# Altium PCB PCB1_backup.PcbDoc (continued)
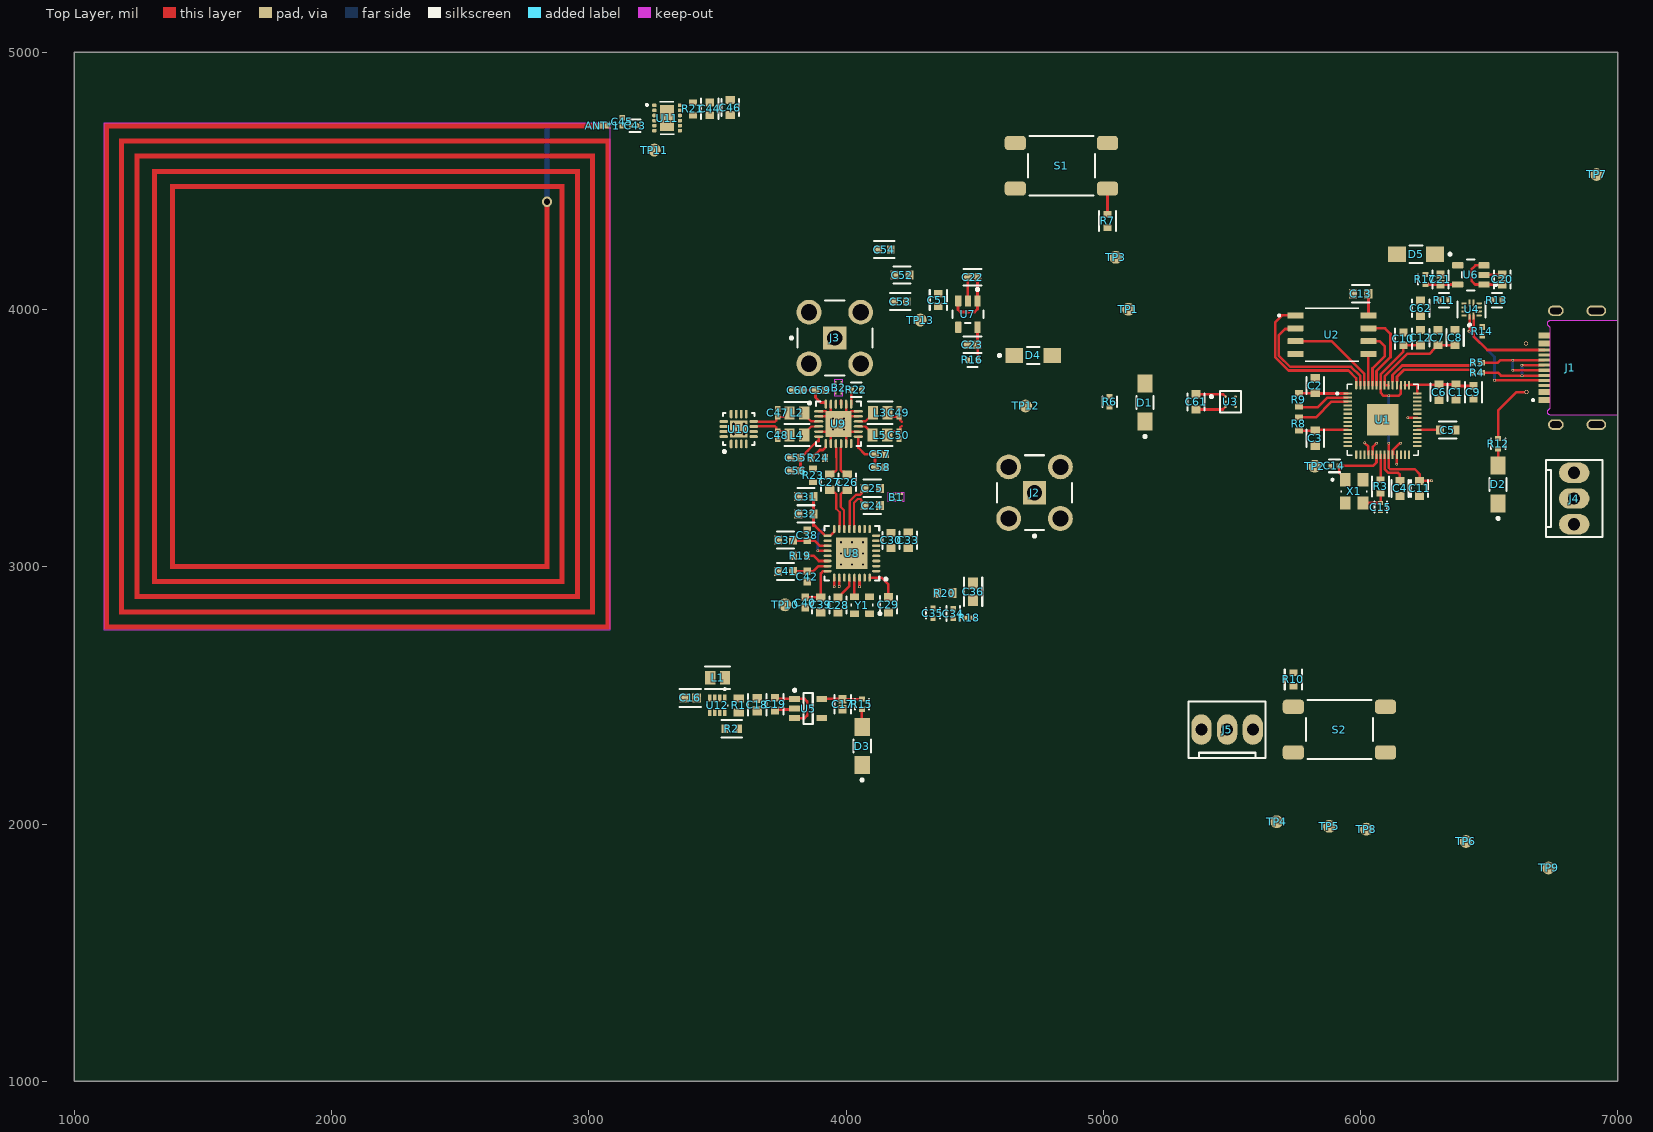
[diagram p0: Top Layer view]
## Footprints (in the part's own frame and the unit in brackets; to place one, negate y for a bottom-side part, rotate by r counter-clockwise, add the part's x,y. Pads: shape width x height; smd on the part's side, far side on the other; paste and mask are expansions set on the pad) (continued)
  rect 0.76x0.72 smd: 1(-0.49,0) 2(0.49,0)
  body extent -0.53,-0.28 0.53,0.28, height 0.55
CAPC1005X55X25ML05T10 [mm] "Chip Capacitor, 2-Leads, Body 1.00x0.50mm, IPC Low Density"
  rect 0.76x0.72 smd: 1(-0.49,0) 2(0.49,0)
  body extent -0.53,-0.28 0.53,0.27, height 0.55
"DIODES SOT25" [mm] "SOT25, 5-Leads, Body 3.00x2.85mm, Pitch 0.95mm, IPC Medium Density"
  rect 1.05x0.6 smd: 1(-1.35,0.95) 2(-1.35,0) 3(-1.35,-0.95) 4(1.35,-0.95) 5(1.35,0.95)
  silkscreen extent -1.47,-1.55 0.45,1.92, body extent -1.5,-1.55 1.5,1.55, height 1.45
DLF0004A_MFG [mm] "Recommended Land Pattern"
  rrect15% 0.9x0.65 smd: 1(-0.75,0.825) 2(-0.75,-0.825) 3(0.75,-0.825) 4(0.75,0.825)
  silkscreen extent -1.88,-0.13 1.05,0.95, body extent -1.3,-1.4 1.3,1.4, height 0.25
FP-CC0402-MFG [mm]
  rect 0.5x0.5 smd paste+0 mask+0: 1(-0.5,0) 2(0.5,0)
  silkscreen extent -0.53,-0.68 0.53,0.67, body extent -0.87,-0.48 0.87,0.48, height 0.25
FP-CC0603-DA-MFG [mm]
  rect 0.8x0.9 smd paste+0 mask+0: 1(-0.75,0) 2(0.75,0)
  silkscreen extent -0.85,-0.85 0.85,0.85, body extent -1.35,-0.75 1.35,0.75, height 0.25
FP-CL10-IPC_C [mil]
  rect 29.85x31.97 smd paste+0 mask+0: 1(-24.68,0) 2(24.68,0)
  silkscreen extent -40,-33 40,33, body extent -44,-22 44,22, height 10
FP-CMD15-21-MFG [mm]
  rect 1.75x1.5 smd paste+0 mask+0: 1(-1.875,0) 2(1.875,0)
  silkscreen extent -3.47,-0.85 0.63,0.85, body extent -2.85,-0.95 2.85,0.95, height 0.25
FP-DBV0005A-MFG [mm]
  rrect17% 1.1x0.6 smd paste+0 mask+0: 1(-1.3,0.95) 2(-1.3,0) 3(-1.3,-0.95) 4(1.3,-0.95) 5(1.3,0.95)
  silkscreen extent -2.55,-1.53 0.87,1.52, body extent -1.95,-1.78 1.95,1.78, height 0.25
FP-GCM155-0_05-IPC_B [mil]
  rect 24.23x22.54 smd paste+0 mask+0: 1(-16.87,0) 2(16.87,0)
  silkscreen extent -29,-27 29,27, body extent -35,-17 35,17, height 10
FP-GCM188-0_1-IPC_A [mil]
  rect 45.62x39.85 smd paste+0 mask+0: 1(-32.55,0) 2(32.55,0)
  silkscreen extent -55,-36 55,36, body extent -75,-40 75,40, height 10
FP-GJM155-0_05-MFG [mm]
  rect 0.4x0.5 smd paste+0 mask+0: 1(-0.4,0) 2(0.4,0)
  silkscreen extent -0.53,-0.63 0.53,0.63, body extent -0.7,-0.38 0.7,0.38, height 0.25
FP-GRM155-0_2-IPC_A [mil]
  rect 32.6x31.74 smd paste+0 mask+0: 1(-19.25,0) 2(19.25,0)
  silkscreen extent -36,-32 36,32, body extent -43,-24 43,24, height 10
FP-GRM188-0_2-IPC_C [mil]
  rect 35.63x35.68 smd paste+0 mask+0: 1(-23.64,0) 2(23.64,0)
  silkscreen extent -41,-35 41,35, body extent -45,-24 45,24, height 10
FP-LQM21PH_G0-IPC_C [mil]
  rect 39.61x51.5 smd paste+0 mask+0: 1(-28.59,0) 2(28.59,0)
  silkscreen extent -48,-43 48,43, body extent -52,-31 52,31, height 10
FP-RC0603-0_55-IPC_C [mil]
  rect 25.93x31.97 smd paste+0 mask+0: 1(-26.64,0) 2(26.64,0)
  silkscreen extent -40,-33 40,33, body extent -44,-22 44,22, height 10
FP-RF2-04A-T-00-50-G-MFG [mm]
  rect 2.3x2.3 hole 1.5 paste-2539.97 mask+0: 1(0,0)
  round 2.45 hole 1.6 paste-2539.97 mask+0: 2(-2.55,2.55) 3(2.55,2.55) 4(-2.55,-2.55) 5(2.55,-2.55)
  silkscreen extent -4.42,-3.7 3.7,3.7, body extent -3.88,-3.88 3.88,3.88, height 0.25
FP-RT0402-MFG [mm]
  rect 0.5x0.6 smd paste+0 mask+0: 1(-0.5,0) 2(0.5,0)
  silkscreen extent -0.5,-0.71 0.5,0.7, body extent -0.85,-0.4 0.85,0.4, height 0.25
FP-RWB0012A-MFG [mm]
  rrect50% 0.7x0.2 smd paste-1000 mask+0: 1(-0.65,0.2) 2(-0.65,-0.2) 7(0.65,-0.2) 8(0.65,0.2)
  rrect50% 0.2x0.5 smd paste+0 mask+0: 3(-0.6,-0.75) 4(-0.2,-0.75) 5(0.2,-0.75) 6(0.6,-0.75) 9(0.6,0.75) 10(0.2,0.75) 11(-0.2,0.75) 12(-0.6,0.75)
  silkscreen extent -1.67,-1.38 0.8,1.38, body extent -1.1,-1.1 1.1,1.1, height 0.25
FP-YPA0006-MFG [mm]
  round 0.263 smd paste-1000 mask-1000: A1(-0.5,0.5) A2(0.5,0.5) B1(-0.5,0) B2(0.5,0) C1(-0.5,-0.5) C2(0.5,-0.5)
  silkscreen extent -2,-1.04 1.04,1.04, body extent -1.24,-1.24 1.24,1.24, height 0.25
"MOLEX KK 0022272031" [mm]
  oval 2x3 hole 1.2: 1(-2.54,0) 2(0,0) 3(2.54,0)
  silkscreen extent -3.81,-2.79 3.81,2.79, body extent -3.81,-2.9 3.81,2.9, height 11.7
nfc_antenna [mm]
  rect 1.524x0.5 smd: 1(-25,-24.75)
  rect 1.524x0.5 smd far side: 2(-25,-24.75)
  Top Layer region: -25.75,-25 24.25,-25 24.25,-24.5 -25.75,-24.5
  Top Layer region: 23.75,-25 24.25,-25 24.25,25 23.75,25
  Top Layer region: -25.75,24.5 24.25,24.5 24.25,25 -25.75,25
  Top Layer region: -25.75,-23.5 -25.25,-23.5 -25.25,25 -25.75,25
  Top Layer region: -25.75,-23.5 22.75,-23.5 22.75,-23 -25.75,-23
  Top Layer region: 22.25,-23.5 22.75,-23.5 22.75,23.5 22.25,23.5
  Top Layer region: -24.25,23 22.75,23 22.75,23.5 -24.25,23.5
  Top Layer region: -24.25,-22 -23.75,-22 -23.75,23.5 -24.25,23.5
  Top Layer region: -24.25,-22 21.25,-22 21.25,-21.5 -24.25,-21.5
  Top Layer region: 20.75,-22 21.25,-22 21.25,22 20.75,22
  Top Layer region: -22.75,21.5 21.25,21.5 21.25,22 -22.75,22
  Top Layer region: -22.75,-20.5 -22.25,-20.5 -22.25,22 -22.75,22
  Top Layer region: -22.75,-20.5 19.25,-20.5 19.25,-20 -22.75,-20
  Top Layer region: 19,-20.5 19.5,-20.5 19.5,20.5 19,20.5
  Top Layer region: -21.25,20 19.25,20 19.25,20.5 -21.25,20.5
  Top Layer region: -21.25,-19 -20.75,-19 -20.75,20.5 -21.25,20.5
  Top Layer region: -21.25,-19 17.75,-19 17.75,-18.5 -21.25,-18.5
  Top Layer region: 17.25,-19 17.75,-19 17.75,19 17.25,19
  Top Layer region: -19.75,18.5 17.75,18.5 17.75,19 -19.75,19
  Top Layer region: -19.75,-17.5 -19.25,-17.5 -19.25,19 -19.75,19
  Bottom Layer region: -25.75,-25 -19.25,-25 -19.25,-24.5 -25.75,-24.5
  Bottom Layer region: -19.75,-25 -19.25,-25 -19.25,-17 -19.75,-17
  Keep-Out Layer region: -25.75,-25 24.25,-25 24.25,25 -25.75,25
PSON50P300X300X60-13N [mm]
  rrect50% 0.42x0.35 smd: 1(-1.26,1.25) 2(-1.26,0.75) 3(-1.26,0.25) 4(-1.26,-0.25) 5(-1.26,-0.75) 6(-1.26,-1.25) 7(1.26,-1.25) 8(1.26,-0.75) 9(1.26,-0.25) 10(1.26,0.25) 11(1.26,0.75) 12(1.26,1.25)
  rect 1.4x2.55 smd paste-2: 13(0,0)
  silkscreen extent -2.1,-1.6 0.7,1.6, body extent -1.51,-1.51 1.51,1.51, height 0.6
QFN40P700X700X90-57N [mm]
  rrect25% 0.84x0.2 smd: 1(-3.435,2.6) 2(-3.435,2.2) 3(-3.435,1.8) 4(-3.435,1.4) 5(-3.435,1) 6(-3.435,0.6) 7(-3.435,0.2) 8(-3.435,-0.2) 9(-3.435,-0.6) 10(-3.435,-1) 11(-3.435,-1.4) 12(-3.435,-1.8) 13(-3.435,-2.2) 14(-3.435,-2.6) 29(3.435,-2.6) 30(3.435,-2.2) 31(3.435,-1.8) 32(3.435,-1.4) 33(3.435,-1) 34(3.435,-0.6) 35(3.435,-0.2) 36(3.435,0.2) 37(3.435,0.6) 38(3.435,1) 39(3.435,1.4) 40(3.435,1.8) 41(3.435,2.2) 42(3.435,2.6)
  rrect25% 0.2x0.84 smd: 15(-2.6,-3.435) 16(-2.2,-3.435) 17(-1.8,-3.435) 18(-1.4,-3.435) 19(-1,-3.435) 20(-0.6,-3.435) 21(-0.2,-3.435) 22(0.2,-3.435) 23(0.6,-3.435) 24(1,-3.435) 25(1.4,-3.435) 26(1.8,-3.435) 27(2.2,-3.435) 28(2.6,-3.435) 43(2.6,3.435) 44(2.2,3.435) 45(1.8,3.435) 46(1.4,3.435) 47(1,3.435) 48(0.6,3.435) 49(0.2,3.435) 50(-0.2,3.435) 51(-0.6,3.435) 52(-1,3.435) 53(-1.4,3.435) 54(-1.8,3.435) 55(-2.2,3.435) 56(-2.6,3.435)
  rect 3.1x3.1 smd paste-0.57: 57(0,0)
  silkscreen extent -4.57,-3.5 3.5,3.5, body extent -3.5,-3.5 3.5,3.5, height 0.9
RESC1005X40X25LL05T10 [mm] "Chip Resistor, 2-Leads, Body 1.00x0.50mm, IPC High Density"
  rect 0.5x0.45 smd: 1(-0.375,0) 2(0.375,0)
  body extent -0.53,-0.27 0.53,0.28, height 0.4
RESC1005X40X25NL05T10 [mm] "Chip Resistor, 2-Leads, Body 1.00x0.50mm, IPC Medium Density"
  rect 0.6x0.55 smd: 1(-0.425,0) 2(0.425,0)
  body extent -0.53,-0.27 0.53,0.28, height 0.4
RESC1608X55X25LL10T15 [mm] "Chip Resistor, 2-Leads, Body 1.60x0.80mm, IPC High Density"
  rect 0.6x0.8 smd: 1(-0.65,0) 2(0.65,0)
  body extent -0.85,-0.45 0.85,0.45, height 0.55
RESC1608X55X25ML10T15 [mm] "Chip Resistor, 2-Leads, Body 1.60x0.80mm, IPC Low Density"
  rect 0.8x1 smd: 1(-0.75,0) 2(0.75,0)
  body extent -0.85,-0.45 0.85,0.45, height 0.55
RESC1608X55X30NL20T10 [mm] "Chip Resistor, 2-Leads, Body 1.60x0.80mm, IPC Medium Density"
  rect 0.8x1 smd: 1(-0.7,0) 2(0.7,0)
  body extent -0.9,-0.5 0.9,0.5, height 0.55
SOIC127P790X216-8N [mm]
  rrect25% 1.61x0.58 smd: 1(-3.605,1.905) 2(-3.605,0.635) 3(-3.605,-0.635) 4(-3.605,-1.905) 5(3.605,-1.905) 6(3.605,-0.635) 7(3.605,0.635) 8(3.605,1.905)
  silkscreen extent -5.31,-2.64 2.64,2.64, body extent -3.95,-2.64 3.95,2.64, height 2.16
SOT50P160X60-8N [mm]
  rect 0.66x0.32 smd mask+0.05: 1(-0.735,0.75) 2(-0.735,0.25) 3(-0.735,-0.25) 4(-0.735,-0.75) 5(0.735,-0.75) 6(0.735,-0.25) 7(0.735,0.25) 8(0.735,0.75)
  silkscreen extent -1.7,-1.05 0.09,1.05, body extent -0.8,-1.05 0.8,1.05, height 0.6
"TE FSM4JSMA" [mm]
  rrect50% 1.4x2.1 smd: 1(2.25,4.55) 2(2.25,-4.55) 3(-2.25,4.55) 4(-2.25,-4.55)
  silkscreen extent -2.92,-3.3 2.92,3.3, body extent -3,-5 3,5, height 5.08
test_point [mil]
  round 50 smd: 1(0,0)
TI-RTE16-1700X1700TP_V [mm] "QFN, 16-Leads, Body 3x3mm, Pitch 0.5mm, Thermal Pad 1.7x1.7mm"
  oval 0.85x0.28 smd: 1(-1.475,0.75) 2(-1.475,0.25) 3(-1.475,-0.25) 4(-1.475,-0.75) 9(1.475,-0.75) 10(1.475,-0.25) 11(1.475,0.25) 12(1.475,0.75)
  oval 0.28x0.85 smd: 5(-0.75,-1.475) 6(-0.25,-1.475) 7(0.25,-1.475) 8(0.75,-1.475) 13(0.75,1.475) 14(0.25,1.475) 15(-0.25,1.475) 16(-0.75,1.475)
  rect 1.7x1.7 smd: 17(0,0)
  silkscreen extent -2.35,-1.57 1.57,1.58, body extent -1.5,-1.5 1.5,1.5, height 0.8
XTAL_ABM8-272-T3 [mm]
  rect 1.05x1.3 smd: 1(-0.875,1.15) 2(-0.875,-1.15) 3(0.875,-1.15) 4(0.875,1.15)
  silkscreen extent -2.24,-0.09 1.25,1.25, body extent -1.25,-1.6 1.25,1.6, height 0.7

## Part data
C1 C2 C3 C4 C5 C6 C7 C8 C11 C12 C13 C24 C25 C26 C27 C28 C29 C30 C31 C32 C33 C37 C39 C41 C46 C52 C61 C62: library part CMP-2000-05002-2, "CAP CER 0.1UF 16V X7R 0603", Capacitance="100 nF", Manufacturer=YAGEO, Package=CC0603-DA, Temperature="-55°C to +125°C", Temperature Characteristic=X7R, Temperature Coefficient=15%, Temperature Range High=+125°C, Temperature Range Low=-55°C, Tolerance=0.1, Voltage="16 V", Automotive=No, Category=Cap, ComponentLink2Description=Datasheet, ComponentLink2URL=http://www.yageo.com/documents/recent/UPY-GPHC_X7R_6.3V-to-50V_18.pdf, Device Class L1="Passive Components", Device Class L2=Capacitors, Device Class L3="Ceramic Capacitors", Digikey Description="CAP CER 0.1UF 16V X7R 0603", Footprint Url=http://www.yageo.com/exep/pages/download/literatures/UPY-C_GEN_24.pdf, Height=0.9mm, Lead Free=Yes, Manufacturer Part Number=CC0603KRX7R7BB104, Material=Ceramic, Mouser Description="Multilayer Ceramic Capacitor, CC Series, 0.1 - F, - 10%, X7R, 16 V, 0603 [1608 Metric]", Octopart=https://octopart.com/cc0603krx7r7bb104-yageo-192941, RoHS=TRUE, Voltage Rating="16 V"
C9 C10 C19 C44 C51 C53 C54: library part CMP-2000-06094-2, "Cap Ceramic 1uF 10V X7R ±10% Pad SMD 0603 +125°C T/R", Capacitance=1uF, Case Code (Imperial)=0603, Case Code (Metric)=1608, Dielectric=X7R, Max Operating Temperature=125°C, Min Operating Temperature=-55°C, Package Quantity=1, Tolerance=10%, Voltage Rating=10V, Case/Package=0603, Contact Plating=Tin, Depth=0.8mm, Height=0.8mm, Lead Free="Lead Free", Length=1.6mm, Mount="Surface Mount", Packaging="Tape and Reel", Radiation Hardening=No, Thickness=0.035inch, Voltage Rating (DC)=10V, Width=0.031inch
C14 C15 C43: library part CMP-2008-03803-2, "Multi-Layer Ceramic Capacitor 15pF C0G  ±2% 0402 Paper T/R", Capacitance=15pF, Case Code (Imperial)=0402, Case Code (Metric)=1005, Dielectric=C0G, Max Operating Temperature=125°C, Min Operating Temperature=-55°C, Package Quantity=10000, Tolerance=2%, Voltage Rating=50V, Case/Package=0402, Depth=0.5mm, Height=0.5mm, Lead Free="Lead Free", Length=1mm, Mount="Surface Mount", Packaging="Tape and Reel", Radiation Hardening=No, Termination=SMD/SMT, Thickness=0.022inch, Voltage Rating (DC)=50V, Width=0.02inch
C16 C18: library part CMP-2000-06337-3, "Chip Multilayer Ceramic Capacitors for General Purpose, 0603, 22uF, X5R, 15%, 20%, 10V", Capacitance=22uF, Case Code (Imperial)=0603, Case Code (Metric)=1608, Dielectric=X5R, Max Operating Temperature=85°C, Min Operating Temperature=-55°C, Package Quantity=4000, Tolerance=20%, Voltage Rating=10V, Case/Package=0603, Depth=0.8mm, Height=0.8mm, Lead Free="Lead Free", Length=1.6mm, Material=Ceramic, Mount="Surface Mount", Packaging="Tape and Reel", REACH SVHC="No SVHC", Termination=SMD/SMT, Thickness=0.039inch, Voltage Rating (DC)=10V, Weight=0.000222oz, Width=0.8mm
C17 C20 C21 C22 C23: library part CMP-06035-026070-1, "Chip Multilayer Ceramic Capacitors for General Purpose, 0402, 10uF, X5R, 15%, 20%, 10V"
C34: library part CMP-06035-054841-1, "Ceramic Capacitor for Automotive 39nF ±10% 16VDC X7R 0402 Paper T/R", Capacitance=39nF, Case Code (Imperial)=0402, Case Code (Metric)=1005, Max Operating Temperature=125°C, Min Operating Temperature=-55°C, Ratings=AEC-Q200, Tolerance=10%, Voltage Rating=16V, Case/Package=0402, Mount="Surface Mount", Packaging="Cut Tape"
C35: library part CMP-03422-000661-1, "CC0402 2.7 nF X7R 10.00% 50 V", Capacitance="2.7 nF", Manufacturer=YAGEO, Package=CC0402, Temperature="-55°C to +125°C", Temperature Characteristic=X7R, Temperature Coefficient=30ppm/°C, Temperature Range High=+125°C, Temperature Range Low=-55°C, Tolerance=0.1, Voltage Rating="50 V", Automotive=No, Automotive Grade=NA, Category=Cap, ComponentLink2Description=Datasheet, ComponentLink2URL=http://www.yageo.com/documents/recent/UPY-GP_NP0_16V-to-50V_16.pdf, Device Class L1="Passive Components", Device Class L2=Capacitors, Device Class L3="Ceramic Capacitors", Footprint Url=http://www.yageo.com/exep/pages/download/literatures/UPY-C_GEN_24.pdf, Height=0.55mm, Ipc Land Pattern Name=CAPC10050X50, Lead Free=Yes, Manufacturer Part Number=CC0402KPX7R9BB272, Material=Ceramic, Octopart=https://octopart.com/cc0402kpx7r9bb272-yageo-84795372, RoHS=TRUE
C36: library part CMP-06035-017544-1, "Ceramic Capacitor for Automotive 1.2nF  ±5% 50VDC C0G 0603 Paper T/R", Capacitance=1.2nF, Case Code (Imperial)=0603, Case Code (Metric)=1608, Dielectric=C0G, Max Operating Temperature=125°C, Min Operating Temperature=-55°C, Package Quantity=10000, Ratings=AEC-Q200, Tolerance=5%, Voltage Rating=50V, Case/Package=0603, Height=0.8mm, Length=0.063inch, Mount="Surface Mount", Packaging="Tape and Reel", Termination=SMD/SMT, Thickness=0.035inch, Voltage Rating (DC)=50V, Weight=0.000222oz, Width=0.031inch
C38 C40 C42: library part CMP-2100-03589-1, "Chip Capacitor, 10 pF, +/- 5%, 50 V, -55 to 125 degC, 0402 (1005 Metric), RoHS, Tape and Reel", Capacitance=10pF, Case Code (Imperial)=0402, Case Code (Metric)=1005, Dielectric=C0G, Dielectric Material=Ceramic, Insulation Resistance=100GR, Manufacturer=Yageo, Max Operating Temperature=125degC, Min Operating Temperature=-55degC, Package Description="2-Pin Surface Mount Device, Body 1 x 0.5 mm", Package Quantity=1, Temperature Coefficient=30ppm/degC, Tolerance=5%, Voltage=50V, Case/Package=0402, Composition=Ceramic, Datasheet URL=http://www.yageo.com/documents/recent/UPY-GP_NP0_16V-to-50V_14.pdf, Datasheet Version="Rev. 14, 07/2016", Depth=0.5mm, Height=0.5mm, Lead Free=LeadFree, Length=1mm, Manufacturer URL=http://www.yageo.com/, Mount=SurfaceMount, Number of Pins=2, Package Reference=0402, Packaging=TapeandReel, Radiation Hardening=No, REACH SVHC=NoSVHC, RoHSCompliant=True, Termination=SMD/SMT, Thickness=0.022inch, Voltage Rating=50V, Voltage Rating (DC)=50V, Width=0.02inch
C45: library part CMP-2008-04303-1, Manufacturer=Murata, Part Number=GRM1555C1H220JA01J
C47 C48 C49 C50: library part CMP-2008-03917-1, Manufacturer=Murata, Part Number=GRM1555C1H270JA01D
C55 C57 C59: library part CMP-1662-00017-1, "Chip Capacitor, 1 nF, +/- 10%, 50 V, -55 to 125 degC, 0402 (1005 Metric), RoHS, Tape and Reel", Capacitance="1 nF", Case Code (Imperial)=0402, Case Code (Metric)=1005, Max Operating Temperature="125 degC", Min Operating Temperature="-55 degC", Package Quantity=10000, Tolerance=10%, Type (Capacitors)=X7R, Voltage Rating="50 V", Case\/Package=0402, ComponentLink1Description="Manufacturer URL", ComponentLink1URL=http://www.murata.com/, ComponentLink2Description=Datasheet, ComponentLink2URL=http://psearch.en.murata.com/capacitor/product/GRM155R71H102KA01%23.pdf, DatasheetVersion=07/2016, Height="0.5 mm", Length="1 mm", Mount="Surface Mount", Mounting Technology="Surface Mount", PackageDescription="2-Pin Surface Mount Device, Body 1 x 0.5 mm", PackageReference=0402, Packaging="Tape and Reel", Pins=2, Radiation Hardening=No, REACH SVHC="No SVHC", RoHSCompliant=true, Voltage Rating (DC)="50 V", Width="0.5 mm"
C56 C58 C60: library part CMP-2008-03915-1, Manufacturer=Murata, Part Number=GRM1555C1H101JA01D
D1 D2 D3 D4 D5: library part CMP-53976-000002-1, "LED RED DIFFUSED 1206 SMD", Colour=Red, Forward Current=20mA, Forward Voltage=2V, Manufacturer=VCC, Package=CMD15-21, Power Dissipation=105mW, Reverse Voltage=5V, Temperature="-40°C to +85°C", Temperature Range High=+85°C, Temperature Range Low=-40°C, Automotive=No, Category=Diode, ComponentLink2Description=Datasheet, ComponentLink2URL=https://www.vcclite.com/wp-content/uploads/wpallimport/files/files/CMD1521SeriesRev1.pdf, Device Class L1=Optoelectronics, Device Class L2=LEDs, Device Class L3=unset, Digikey Description="LED RED DIFFUSED 1206 SMD", Height=1.3mm, Lead Free=Yes, Led Orientation="Top View", Luminous Intensity=4mcd, Manufacturer Part Number=CMD15-21VRD/TR8, Mouser Description="Standard LEDs - SMD RED DIFFUSED", Octopart=https://octopart.com/cmd15-21vrd%2Ftr8-vcc-26668835, Peak Emmision Wavelength=640nm, RoHS=TRUE
J2 J3: library part CMP-42753-000002-1, "CONN SMA JACK STR 50 OHM PCB"
J4 J5: "CONN HEADER VERT 3POS 2.54MM", Insulation Color=Natural, Manufacturer=Molex, Material Flammability Rating="UL94 V-0", Supplier Part Number 1=WM4112-ND, ComponentLink1Description=Datasheet, ComponentLink1URL=https://www.molex.com/pdm_docs/sd/022272031_sd.pdf, ComponentLink2Description="DigiKey Link", ComponentLink2URL=http://digikey.com/product-detail/en/molex/0022272031/WM4112-ND/1130578, Connector Type=Header, Contact Finish - Mating=Tin, Contact Finish - Post=Tin, Contact Finish Thickness - Mating="100.0µin (2.54µm)", Contact Length - Mating="0.295\" (7.49mm)", Contact Length - Post="0.140\" (3.56mm)", Contact Material=Brass, Contact Shape=Square, Contact Type="Male Pin", Fastening Type="Friction Lock", Insulation Height="0.461\" (11.70mm)", Insulation Material="Polyamide (PA), Nylon", LastUpdated="1/12/2020 11:51:54 PM", Lifecycle Status=Active, Minimum Order=1, Mounting Type="Through Hole", Number of Positions=3, Number of Positions Loaded=All, Number of Rows=1, Overall Contact Length="0.560\" (14.22mm)", Packaging=Bulk, Part Number=0022272031, Part Status=Active, PartId=77, Pitch - Mating="0.100\" (2.54mm)", Price=0.37, Series="KK 6410", Shrouding="Shrouded - 1 Wall", Style="Board to Cable/Wire", Supplier 1=DigiKey, Termination=Solder
L1 L2 L3 L4 L5: library part CMP-06042-017027-1, "Multilayer Type Inductor for Power Lines, 0805 (2012), 1μH, 30%, 0.0825Ω, 1.3A", Case Code (Imperial)=0805, Case Code (Metric)=2012, Current Rating=1.3A, DC Resistance (DCR)=82.5mR, Inductance=1uH, Inductance Tolerance=30%, Max Operating Temperature=125°C, Min Operating Temperature=-55°C, Package Quantity=4000, Self Resonant Frequency=50MHz, Test Frequency=1MHz, Case/Package=0805, Core Material=Ferrite, DC Current=1.3A, Depth=1.4mm, Height=0.9mm, Height - Seated (Max)=0.039inch, Length=2mm, Max DC Current=1.3A, Military Standard=Not, Mount="Surface Mount", Packaging="Tape and Reel", REACH SVHC="No SVHC", RoHS Compliant=Yes, Series=LQM21PN_GR, Shielding=Shielded, Termination=SMD/SMT, Tolerance=30%, Weight=0.000194oz, Width=0.049inch
R1: library part CMP-2000-01731-1, Manufacturer="KOA Speer", Part Number=RK73H1JTTD91R0F, Valu=9.6k
R2 R3 R7 R10: library part CMP-1659-00009-5, "RES 1K OHM 1% 1/10W 0603", Case Code (Imperial)=0603, Case Code (Metric)=1608, Max Operating Temperature=155°C, Max Power Dissipation=100mW, Min Operating Temperature=-55°C, Resistance=1kR, Resistance Tolerance=1%, Resistor Type="Thick Film", Temperature Coefficient=100ppm/°C, Voltage Rating=50V, Case/Package=0603, Construction=Rectangular, Contact Plating=Tin, Depth=0.8mm, Features="Moisture Resistant", Height=0.45mm, Lead Free="Lead Free", Length=1.6mm, Military Standard=Not, Number of Terminations=2, Packaging="Tape and Reel", Power Rating=100mW, Radiation Hardening=No, REACH SVHC="No SVHC", RoHS Compliant=Yes, Series=RC, Size Code=0603, Technology="THICK FILM", Termination=SMD/SMT, Tolerance=1%
R4 R5: library part CMP-1011-00036-2, Manufacturer="Yageo / Phycomp", Part Number=RC0402JR-0727RL
R6 R12 R15 R16 R17 R22: library part CMP-03412-023045-1, "RES SMD 200 OHM 0.1% 1/16W 0402", Manufacturer=Yageo, Package=RT0402, Power Rating=0.063W, Resistance=200Ω, Temperature="-55°C to +155°C", Temperature Coefficient="25 ppm/°C", Temperature Range High=+155°C, Temperature Range Low=-55°C, Tolerance=0.001, Voltage Rating=50V, Automotive=No, Category=Res, ComponentLink2Description=Datasheet, ComponentLink2URL=http://www.yageo.com/documents/recent/PYu-RT_1-to-0.01_RoHS_L_9.pdf, Composition="Thin Film", Device Class L1="Passive Components", Device Class L2=Resistors, Device Class L3="Chip SMD Resistors", Digikey Description="RES SMD 200 OHM 0.1% 1/16W 0402", Footprint Url=http://www.yageo.com/exep/pages/download/literatures/PYu-R_Mount_10.pdf, Height=0.35mm, Ipc Land Pattern Name=RESC10050X30, Lead Free=Yes, Manufacturer Part Number=RT0402BRD07200RL, Mouser Description="Thin Film Resistors - SMD 1/16W 200 ohm .1% 25ppm", Octopart=https://octopart.com/rt0402brd07200rl-yageo-1238579, RoHS=TRUE, Series=RT
R8 R9 R19 R21 R23 R24: library part CMP-2000-06942-1, "Chip Resistor, 4.7 KOhm, +/- 1%, 0.1 W, -55 to 155 degC, 0603 (1608 Metric), RoHS, Tape and Reel", Case Code - in=0603, Case Code - mm=1608, Manufacturer=Yageo, Operating Temperature Range=-55Cto+155C, Package Description="2-Pin Surface Mount Device, Body 1.6 x 0.8 mm", Power Rating=100mW, Resistance=4.7kOhms, Temperature Coefficient=100PPM/C, Tolerance=1%, Voltage Rating=50V, Datasheet URL=http://www.yageo.com/documents/recent/PYu-RC_Group_51_RoHS_L_7.pdf, Datasheet Version="Rev. 7, 05/2017", Manufacturer URL=http://www.yageo.com/, Mounting Technology=SurfaceMount, Package Reference=0603, Packaging=Reel, Product=ThickFilmResistorsGeneralPurpose, Series=RC, Termination Style=SMD/SMT
R11 R13: library part CMP-03412-025742-1, "RES SMD 200K OHM 0.1% 1/16W 0402", Manufacturer=Yageo, Package=RT0402, Power Rating=0.063W, Resistance=200KΩ, Temperature="-55°C to +155°C", Temperature Coefficient="25 ppm/°C", Temperature Range High=+155°C, Temperature Range Low=-55°C, Tolerance=0.001, Voltage Rating=50V, Automotive=No, Category=Res, ComponentLink2Description=Datasheet, ComponentLink2URL=http://www.yageo.com/documents/recent/PYu-RT_1-to-0.01_RoHS_L_9.pdf, Composition="Thin Film", Device Class L1="Passive Components", Device Class L2=Resistors, Device Class L3="Chip SMD Resistors", Digikey Description="RES SMD 200K OHM 0.1% 1/16W 0402", Footprint Url=http://www.yageo.com/exep/pages/download/literatures/PYu-R_Mount_10.pdf, Height=0.35mm, Ipc Land Pattern Name=RESC10050X30, Lead Free=Yes, Manufacturer Part Number=RT0402BRD07200KL, Octopart=https://octopart.com/rt0402brd07200kl-yageo-71392655, RoHS=TRUE, Series=RT
R14: library part CMP-2002-07143-1, Manufacturer="Yageo / Phycomp", Part Number=RC0402FR-07910KL
R18: library part CMP-2002-08032-1, Manufacturer="Yageo / Phycomp", Part Number=RC0402JR-07680RL
R20: library part CMP-2000-04266-1, Manufacturer=Yageo, Part Number=RC0603JR-07360RL
S1 S2: "SWITCH TACTILE SPST-NO 0.05A 24V", Contact Rating @ Voltage="0.05A @ 24VDC", Manufacturer="TE Connectivity ALCOSWITCH Switches", Operating Force=160gf, Operating Temperature="-35°C ~ 85°C", Supplier Part Number 1=450-1129-ND, Actuator Height off PCB, Vertical=5.00mm, Actuator Orientation="Top Actuated", Actuator Type=Standard, Circuit=SPST-NO, ComponentLink1Description=Datasheet, ComponentLink1URL=https://www.te.com/commerce/DocumentDelivery/DDEController?Action=srchrtrv&DocNm=1308111-1_SWITCHES_CORE_PROGRAM_CATALOG&DocType=CS&DocLang=English, ComponentLink2Description="DigiKey Link", ComponentLink2URL=https://www.digikey.com/en/products/detail/te-connectivity-alcoswitch-switches/FSM4JSMA/525821, Illumination=Non-Illuminated, LastUpdated="6/3/2024 8:19:31 PM", Lifecycle Status=Active, Minimum Order=1, Mounting Type="Surface Mount", Outline="6.00mm x 6.00mm", Packaging=Bulk, Part Number=FSM4JSMA, Part Status=Active, Price=0.14, Series=FSMJSMA, Supplier 1=DigiKey, Switch Function=Off-Mom, Termination Style="Gull Wing"
U3: library part CMP-04948-000007-1, "GEN 2 HUMIDITY SENSOR", Manufacturer="Texas Instruments", Max Supply Voltage=3.6V, Min Supply Voltage=1.62V, Operating Supply Current=0.105-650uA, Package=YPA0006, Temperature="-40°C to +85°C", Temperature Range High=+85°C, Temperature Range Low=-40°C, Accuracy=2%, Automotive=No, Category=IC, ComponentLink2Description=Datasheet, ComponentLink2URL=http://www.ti.com/lit/ds/symlink/hdc2010.pdf, Device Class L1=Sensors, Device Class L2="Temperature and Humidity Sensors", Device Class L3=unset, Digikey Description="GEN 2 HUMIDITY SENSOR", Height=0.675mm, Interface=I2C, Ipc Land Pattern Name=BGA6N50P2X3_146X146X67, Lead Free=Yes, Manufacturer Part Number=HDC2010YPAR, Mouser Description="Low Power Humidity and Temperature Digital Sensor 6-DSBGA -40 to 85", Octopart=https://octopart.com/hdc2010ypar-texas+instruments-84791680, Resolution=14bits, RoHS=TRUE, Sensor Output=I2C, Standoff Height=0.215mm
U4: library part CMP-04877-000014-1, "IC USB TYPE-C LOGIC/PORT 12X2QFN", Max Operating Temperature=85°C, Min Operating Temperature=-40°C, Lead Free="Lead Free", Mount="Surface Mount", Number of Pins=12, Packaging="Tape and Reel", RoHS Compliant=Yes
U6 U7: library part CMP-04917-000053-1, "IC REG LINEAR 3.3V 300MA SOT23-5", Dropout Voltage=125mV, Manufacturer="Texas Instruments", Max Junction Temp=+125°C, Max Supply Voltage=5.5V, Min Supply Voltage=1.4V, Nominal Supply Current=34uA, Output Current=300mA, Output Voltage=3.3V, Package=DBV0005A, Temperature="-40°C to +125°C", Temperature Range Low=-40°C, Accuracy Percentage=1%, Automotive=No, Category=IC, ComponentLink2Description=Datasheet, ComponentLink2URL=http://www.ti.com/lit/ds/symlink/tlv733p.pdf, Device Class L1="Integrated Circuits (ICs)", Device Class L2="Power Management ICs", Device Class L3="Voltage Regulators - Linear", Digikey Description="IC REG LINEAR 3.3V 300MA SOT23-5", Height=1.45mm, Lead Free=Yes, Manufacturer Part Number=TLV73333PDBVR, Mouser Description="LDO Voltage Regulators Capacitr-Free 300-mA 5-SOT-23 -40 to 125", Number of Outputs=1, Octopart=https://octopart.com/tlv73333pdbvr-texas+instruments-51080890, Output Type=Fixed, RoHS=TRUE, Standoff Height=0mm, Temperature Range High=+125°C
U8: library part CMP-0287-00015-1, "Wideband Synthesizer with Integrated VCO, CP-32-2, Pb-Free, 1500 Reel", Frequency Range=35MHz-4.4GHz, Supply Current=110mA, Code_JEDEC=MO-220-VHHD-2, ComponentLink1Description="Manufacturer URL", ComponentLink1URL=www.analog.com, ComponentLink2Description=Datasheet, ComponentLink2URL=http://www.analog.com/static/imported-files/data_sheets/ADF4351.pdf, ComponentLink3Description="Package Specification", ComponentLink3URL=http://www.analog.com/static/imported-files/packages/414143737956480539664569CP_32_2.pdf, DatasheetVersion="Rev. Pr D", Max REFin (MHz)=250MHz, Max RF Input (MHz)=4.4GHz, Norm Phase Noise (dBc/Hz)=-221dBc, PackageDescription="32-Lead Lead Frame Chip Scale Package [LFCSP_VQ]", PackageReference=CP-32-2, PackageVersion=Jan-2005, RF Prescalers=4/5,8/9, Single/Dual=Single
U9: library part CMP-0285-00050-1, "400 MHz to 6 GHz Quadrature Demodulator, CP-24-3, Pb-Free, 1500 Reel", IQ Freq (MHz)=390MHz, Max RF Frequency (MHz)=6GHz, Min RF Frequency (MHz)=400MHz, Amplitude Error (dB)=70mdB, Code_JEDEC=MO-220-VGGD-8, ComponentLink1Description="Manufacturer URL", ComponentLink1URL=www.analog.com, ComponentLink2Description=Datasheet, ComponentLink2URL=http://www.analog.com/static/imported-files/data_sheets/ADL5380.pdf, ComponentLink3Description="Package Specification", ComponentLink3URL=http://www.analog.com/static/imported-files/packages/56702234806764CP_24_3.pdf, DatasheetVersion="Rev. 0", IIP3 (+dBm)=22dBm, Output P1dB (dBm)=12, PackageDescription="24-Lead Lead Frame Chip Scale Package [LFCSP_VQ]", PackageReference=CP-24-3, PackageVersion=Jan-2005, Phase Error (deg)=0.2Deg
U10: library part CMP-0003-02161-1, "14-Bit, 2 MSPS, Dual-Channel, Unipolar, Differential, u-Power SAR ADC, -40 to 85 degC, 16-pin QFN (RTE16), Green (RoHS & no Sb/Br)", Analog Voltage AV/DD(Max)(V)=5.25, Analog Voltage AV/DD(Min)(V)=2.7, Manufacturer="Texas Instruments", # Input Channels=2, Architecture=SAR, Code_JEDEC=MO-220, ComponentLink1Description="Manufacturer URL", ComponentLink1URL=http://www.ti.com/, ComponentLink2Description=Datasheet, ComponentLink2URL=http://www.ti.com/general/docs/lit/getliterature.tsp?genericPartNumber=ADS7945&fileType=pdf, ComponentLink3Description="Package Specification", ComponentLink3URL=http://www.ti.com/litv/pdf/mpqf149c, DatasheetVersion=SBAS539B, Digital Supply(Max)(V)=5.25, Digital Supply(Min)(V)=1.65, Eco-Plan="Green (RoHS & no Sb/Br)", INL(Max)(+/-LSB)=1.5, Interface="Serial SPI", Mounting Technology="Surface Mount", PackageDescription="16-Pin Plastic Flat Pack, Body 3 x 3 mm, Pitch 0.5 mm", PackageReference=RTE16-1700X1700TP, PackageVersion="4205254/D, 01/2011", PartNumber=ADS7945SRTER, Resolution(Bits)=14, Sample Rate (max)(SPS)=2M, SFDR(dB)=94, SINAD(dB)=83.5, SNR(dB)=84, SubFamily="Precision ADC (<=10MSPS)"
Y1: library part CMP-00370-144810711-1, "\"LOW-JITTER, HIGH-PERFORMANCE, BU\" 25 MHz LVCMOS Oscillator 1.8V Enable/Disable 4-VDFN", Ambient Temperature Range High=105°C, Frequency=25MHz, Load Capacitance=30pF, Manufacturer Lifecycle Status=ACTIVE, Max Junction Temperature (Tj)=125°C, Max Supply Voltage=1.9V, Min Operating Temperature=-40°C, Min Supply Voltage=1.7V, ComponentLink1Description="Manufacturer's Website", ComponentLink1URL=http://ti.com, ComponentLink2Description="Datasheet URL", ComponentLink2URL=https://www.ti.com/lit/ds/symlink/lmk6c.pdf, Height=1mm, HelpURL=https://www.ti.com/lit/ds/symlink/lmk6c.pdf, Length=2.5mm, Lifecycle Status=Production, Max Operating Temperature=105°C, Number of Pins=4, RoHS=Compliant, Thickness=900µm, Width=2mm

## Via types
v1: diameter 10, hole 6, Top Layer to Bottom Layer, 18 vias
v2: diameter 19.68, hole 7.87, Top Layer to Bottom Layer, 13 vias
v3: diameter 19.68, hole 11.81, Top Layer to Bottom Layer, 5 vias
v4: diameter 15, hole 12, Top Layer to Bottom Layer, 2 vias
v5: diameter 39.37, hole 23.62, Top Layer to Bottom Layer, 1 vias

## Nets (pads, with @x,y where several pads share a name; then routed paths per layer and width w, separated by ;. In a path a pad name is that pad's centre, name@x,y a point inside that pad or via, vN(x,y) a via of type N, cw(c..) or ccw(c..) an arc to the next point about the centre after c; other vN are vias at no path point)
+3V3: C1.1 C2.1 C3.1 C4.1 C5.1 C6.1 C7.1 C8.1 C9.1 C13.1 C21.1 C28.1 C29.1 C44.1 C46.1 C53.1 C61.1 C62.1 R8.2 R9.2 R10.2 R11.2 R13.2 R17.2 R21.2 TP7.1 U1.1 U1.10 U1.22 U1.33 U1.42 U1.43 U1.44 U1.48 U1.49 U2.8 U3.A1 U4.12 U6.5 U8.28 U8.32 U10.16 U11.10 U11.12 Y1.4 | length 1863.1
  Top Layer w10: C28.1 3970.97,2880.53 3981.72,2891.28 3981.72,2893.24 4013.16,2924.69 U8.28 ; U8.32 4138.49,2957.51 4165,2931 C29.1@4165,2878.53 ; C61.1 5465.75,3670.53 5474.9,3661.37 U3.A1 ; R8.2 5823.88,3529.41 C3.1 5826.33,3531.86 U1.10 ; R9.2 5823.59,3674.59 C2.1 5825.41,3673.59 U1.1 ; 5857,3673.47 5857.12,3673.59 ; C13.1 6031.16,4060.2 U2.8 ; U1.22 6093.87,3379.38 6108.15,3365.1 6146.54,3365.1 6153.2,3358.43 6153.2,3334.81 C4.1 ; U1.48 U1.49 6093.87,3740.38 6181.5,3828 6267.53,3828 6288.28,3848.76 6288.28,3850.72 6299.03,3861.47 C7.1 C8.1 ; U1.44 U1.43 6188.36,3707.17 6189.43,3708.24 6220,3708.24 ; U1.33 6309.5,3531.86 C5.1 ; U1.42 6221.24,3707 6220,3708.24 ; R17.2 6310.57,4097.31 C21.1 6311.55,4097.2 U6.5 ; C6.1@6304.59,3709.02 C6.1@6305.09,3708.53 ; C9.1 6377.84,3702.68 C1.1 C6.1@6305.09,3708.53 ; 6220,3708.24 C6.1 C6.1@6305.09,3708.53
+3V3A: C23.1 C30.1 C31.1 C32.1 C33.1 C51.1 C52.1 C54.1 R16.2 TP8.1 U7.5 U8.6 U8.10 U8.16 U8.17 U10.2 U10.3 | length 349
  Top Layer w10: 3873.53,3158.8 C32.1 C31.1 ; 3879.53,3159.21 3917.84,3120.9 U8.17 3939.18,3120.9 3954.1,3135.82 U8.16 ; C30.1@4174,3069.94 C30.1@4174.47,3069.47 ; U7.5 4511.1,3863.7 C23.1 4511.39,3862.61 R16.2
+5: C17.1 C55.2 C56.2 C57.2 C58.2 C59.2 C60.2 R15.2 R22.2 R23.2 TP6.1 U5.5 U9.6 U9.13 U9.24 | length 639.5
  Top Layer w10: C56.2 C55.2 3823.79,3423.59 3888.07,3487.87 ; C60.2 C59.2 3881.42,3658.58 3901.55,3638.45 3921.55,3638.45 3921.63,3638.37 U9.24 ; U9.6@3885,3505.94 3885.08,3506.02 U9.6 3894.07,3488.28 ; U5.5 3985.85,2486.4 C17.1 3987.12,2485.37 R15.2 ; U9.13@4060.29,3505.94 4060.21,3506.02 U9.13 4047.61,3463.39 4074,3437 C57.2 4112.85,3436.85 4112.85,3387.15 C58.2
cpout: C34.1 C35.1 R18.1 U8.7
flash_cs: R7.1 U1.56 U2.1 | length 600.6
  Top Layer w10: U2.1 5694.94,3976.94 5668,3950 5668,3816.08 5721.08,3763 5953,3763 5983.64,3732.36 U1.56
GND: B1.2 B1.5 C1.2 C2.2 C3.2 C4.2 C5.2 C6.2 C7.2 C8.2 C9.2 C10.2 C11.2 C12.2 C13.2 C14.2 C15.2 C16.2 C17.2 C18.2 C19.2 C20.2 C21.2 C22.2 C23.2 C28.2 C29.2 C30.2 C31.2 C32.2 C33.2 C35.2 C36.2 C37.2 C38.1 C39.2 C40.1 C41.2 C42.1 C44.2 C46.2 C47.1 C48.1 C49.1 C50.1 C51.2 C52.2 C53.2 C54.2 C55.1 C56.1 C57.1 C58.1 C59.1 C60.1 C61.2 C62.2 D1.1 D2.1 D3.1 D4.1 D5.1 J1.A1_B12 J1.B1_A12 J1.SH1 J1.SH2 J1.SH3 J1.SH4 J2.2 J2.3 J2.4 J2.5 J3.2 J3.3 J3.4 J3.5 J4.1 J5.2 R2.2 R19.1 R20.1 R24.1 S1.1 S1.2 S2.1 S2.2 TP2.1 TP9.1 TP10.1 TP11.1 TP12.1 TP13.1 U1.19 U1.57 U2.4 U3.B1 U3.C1 U4.3 U4.5 U4.10 U4.11 U5.2 U6.2 U7.2 U8.8 U8.9 U8.11 U8.18 U8.21 U8.27 U8.31 U8.33 U9.1 U9.2 U9.5 U9.8 U9.11 U9.14 U9.17 U9.18 U9.20 U9.23 U9.25 U10.1 U10.4 U10.17 U11.6 U12.7 X1.2 X1.4 Y1.2 | length 961.6
  Top Layer w10: C19.2 3727.84,2445.16 3796.01,2445.16 U5.2 ; U9.5 3941.32,3525.7 U9.8 ; U9.2 U9.25@3941.32,3584.76 ; U9.1 U9.1 3921.71,3604.36 U9.25@3941.32,3584.76 ; U9.23 U9.25@3941.32,3584.76 ; U9.25 4019.98,3604.36 4047.54,3604.36 U9.18 ; C17.2@3984.75,2449 C17.2 ; U9.11 4000.37,3525.7 U9.14 ; U9.20 4000.37,3584.76 U9.17 ; C23.2 4472.63,3863.3 C23.2@4483.5,3874.17 ; C22.2 4473.7,4124.3 U7.2 ; C61.2 5464.38,3611.47 5474.9,3622 U3.C1 ; U1.19 6047.69,3437.06 6047.69,3465.52 v1(6062.65,3480.48) ; U6.2 6549.35,4134.6 C20.2
  other v2: 3979.69,3008.69 4023,3008.69 4066.31,3008.69 3979.69,3052 4023,3052 4066.31,3052 3979.69,3095.31 4023,3095.31 4066.31,3095.31 3949.19,3533.57 3992.5,3533.57 3949.19,3576.88 3992.5,3576.88
  other v3: 3563.24,3515.79 3602.61,3515.79 3582.93,3535.47 3563.24,3555.16 3602.61,3555.16
I_N: C48.2 L4.2 U10.7 | length 159.3
  Top Layer w8.8: U10.7 3641.43,3545.74 3659.42,3545.74 3660.44,3546.76 3699.08,3546.76 3699.24,3546.6 3724.19,3546.6 3729.34,3541.45 3729.34,3533.01 C48.2 3765.06,3527.35 L4.2
I_O_N: L4.1 U9.4 | length 73.8
  Top Layer w8.8: L4.1 3837.59,3517.95 3864.82,3545.19 3893.87,3545.19 U9.4
I_O_P: L2.1 U9.3 | length 73.6
  Top Layer w8.8: L2.1 3837.59,3592.05 3864.37,3565.27 3893.87,3565.27 U9.3
I_P: C47.2 L2.2 U10.8 | length 160.8
  Top Layer w8.8: U10.8 3641.43,3564.57 3659.42,3564.57 3660.44,3563.56 3706.04,3563.56 3706.2,3563.4 3724.19,3563.4 3729.34,3568.55 3729.34,3576.99 C47.2 3765.06,3582.65 L2.2 L2.2@3779.41,3597
IQ_EN_N: R23.1 R24.2 U9.7 | length 68.7
  Top Layer w10: R24.2 R24.2@3866.41,3427.53 ; R24.2@3872.41,3427.94 3898.47,3454 3909.81,3454 U9.7@3921.55,3465.74
NetANT*1_1: ANT*1.1 C43.2 C45.2
  other v5: 2837.72,4419.13
NetANT*1_2: ANT*1.2 C45.1 U11.5
NetB1_1: B1.1 J2.1
NetB1_3: B1.3 C25.2
NetB1_4: B1.4 C24.2
NetB2_1: B2.1 J3.1
NetC10_1: C10.1 C11.1 C12.1 U1.23 U1.45 U1.50 | length 891.6
  Top Layer w10: v1(6109.9,3480.48) 6109.62,3480.2 U1.23 6109.62,3385.28 6115.8,3379.1 6211.28,3379.1 6229.98,3360.4 C11.1 v1(6276.24,3333.83) ; U1.45 6156.87,3674.1 6147.3,3664.54 6090.21,3664.54 6078.13,3676.62 U1.50 6078.13,3747.13 6167,3836 C10.1 6233.68,3861.32 C12.1
  Bottom Layer w10: v1(6109.9,3480.48) v1(6109.9,3664.54)
NetC14_1: C14.1 U1.20 X1.1 | length 249.2
  Top Layer w10: X1.1@5940.37,3337.76 X1.1 5940.92,3343.24 5917,3367.16 5917,3389.75 C14.1 5968.9,3392 5969,3391.9 6048.87,3391.9 6062.38,3405.4 U1.20
NetC15_1: C15.1 R3.1 X1.3 | length 107.6
  Top Layer w10: X1.3@6010.84,3248.79 X1.3 6009.86,3247.8 C15.1 R3.1
NetC18_1: C18.1 C19.1 R1.2 TP5.1 U5.1 U5.3 U12.1 | length 238.1
  Top Layer w10: C19.1@3724,2486.68 3724.14,2486.54 3799.71,2486.54 U5.1 3839.6,2486.4 3849,2477 3849,2421 3839.6,2411.6 U5.3
NetC34_2: C34.2 R20.2 | length 4.9
  Top Layer w10: R20.2 R20.2@4417,2894.53
NetC43_1: C43.1 U11.4
NetD1_2: D1.2 R6.1
NetD2_2: D2.2 R12.1 | length 64.8
  Top Layer w10: D2.2 R12.1
NetD3_2: D3.2 R15.1 | length 69.6
  Top Layer w10: R15.1 4062,2377.82 D3.2
NetD4_2: D4.2 R16.1
NetD5_2: D5.2 R17.1
NetJ1_A5: J1.A5 U4.1 | length 485.4
  Top Layer w10: v1(6422,3915) 6424.25,3917.25 U4.1 ; v1(6521,3725) 6521.47,3724.53 J1.A5
  Bottom Layer w10: v1(6422,3915) 6521,3816 v1(6521,3725)
NetJ1_A6: J1.A6 J1.B6 R5.2 | length 405.5
  Top Layer w10: R5.2 6533.46,3792.32 6544.29,3803.15 v1(6591.54,3803.15) 6591.59,3803.21 6712.19,3803.21 J1.B6@6712.24,3803.27 ; v1(6591.54,3763.72) 6591.71,3763.9 J1.A6@6712.24,3763.9
  Bottom Layer w10: v1(6591.54,3763.72) v1(6591.54,3803.15)
NetJ1_A7: J1.A7 J1.B7 R4.2 | length 371.1
  Top Layer w10: R4.2 6534.45,3754.92 6546.26,3743.11 v1(6627.95,3743.11) 6695.39,3743.11 6696.5,3744.21 J1.B7@6712.24,3744.21 ; v1(6627.83,3783.58) J1.A7@6712.24,3783.58
  Bottom Layer w10: v1(6627.83,3783.58) 6627.95,3783.46 v1(6627.95,3743.11)
NetJ1_B5: J1.B5 U4.2 | length 375.4
  Top Layer w10: U4.2 6440,3895.9 6493.26,3842.64 J1.B5
NetJ4_2: J4.2 U1.41
NetJ4_3: J4.3 U1.40
NetL1_1: L1.1 U12.3
NetL1_2: L1.2 U12.2
NetR1_1: R1.1 R2.1 U12.8
NetR3_2: R3.2 U1.21 | length 97.4
  Top Layer w10: U1.21 6078.13,3338.89 R3.2
NetR6_2: R6.2 U1.36 | length 38.1
  Top Layer w10: v1(6183.1,3579.1) U1.36
NetR7_2: R7.2 S1.3 S1.4 | length 99.3
  Top Layer w10: R7.2 S1.4
NetR11_1: R11.1 U1.8 U4.9
NetR13_1: R13.1 U1.7 U4.6
NetR14_2: R14.2 U4.4
NetR21_1: R21.1 U1.6 U11.11
NetR22_1: R22.1 U9.19 | length 56.4
  Top Layer w10: U9.19 4020.13,3632.08 4020.13,3687.82 R22.1 ; R22.1@4020.13,3690.82 R22.1@4020.32,3691
NetU1_5: U1.5 U11.1
NetU1_11: U1.11 U10.15
NetU1_12: U1.12 U10.13
NetU1_13: U1.13 U10.14
NetU1_15: U1.15 U10.12
NetU1_16: U1.16 U10.11
NetU1_18: U1.18 Y1.1 | length 51.5
  Top Layer w10: v1(6016.39,3481.46) 6030.88,3466.98 U1.18
NetU1_28: U1.28 U8.4
NetU1_29: U1.29 U8.1
NetU1_30: U1.30 U8.2
NetU1_31: U1.31 U8.3
NetU1_32: U1.32 U8.30 | length 35
  Top Layer w10: v1(4052.53,2922.53) U8.30
NetU1_34: U1.34 U8.25 | length 34.4
  Top Layer w10: v1(3954.1,2923.1) U8.25
NetU1_35: U1.35 U8.26 | length 34.3
  Top Layer w10: v1(3973.79,2923.21) U8.26
NetU1_51: U1.51 U2.7 | length 316.2
  Top Layer w10: U2.7 6095.53,3926.94 6116.79,3905.68 6116.79,3815.13 6062.38,3760.72 U1.51
NetU1_52: U1.52 U2.6 | length 242.5
  Top Layer w10: U2.6 6074.66,3876.94 6095.13,3856.46 6095.13,3820.05 6046.63,3771.54 U1.52
NetU1_53: U1.53 U2.5 | length 120.6
  Top Layer w10: U1.53 6030.88,3826.66 U2.5
NetU1_54: U1.54 U2.3 | length 363.6
  Top Layer w10: U2.3 5887.65,3876.94 6015.13,3749.46 U1.54
NetU1_55: U1.55 U2.2 | length 539.7
  Top Layer w10: U2.2 5744.67,3924.31 5707.27,3924.31 5682,3899.04 5682,3822 5727,3777 5963.97,3777 5998.32,3742.65 5998.32,3707.53 U1.55
NetU8_29: U8.29 Y1.3 | length 74.6
  Top Layer w10: U8.29 4032.84,2883.1 Y1.3
power_in: C16.1 C20.1 C22.1 J1.A4_B9 J1.B4_A9 R12.2 R14.1 TP4.1 U6.1 U6.3 U7.1 U7.3 U12.4 U12.5 U12.6 | length 715
  Top Layer w10: U7.3@4435.3,4033.48 4435.3,3999.7 4444.7,3990.3 ; 4445.7,3990.3 4499.7,3990.3 4511.1,4001.7 U7.1 4511.1,4125.2 C22.1 ; U6.3 6447,4172 6433,4158 6433,4110 6445.8,4097.2 U6.1 6550.45,4097.2 C20.1 ; R12.2 6535,3607 6607,3679 v4(6645,3679)
  Top Layer w15: v4(6644,3868) v4@6644.23,3868.23 ; v4(6645,3679) v4@6645.25,3679.25
Q_N: C50.2 L5.2 U10.6 | length 75.8
  Top Layer w8.8: L5.2 4175.94,3527.35 C50.2 4211.16,3532.51 4211.16,3541.95 4216.31,3547.1
Q_O_N: L5.1 U9.15 | length 73.1
  Top Layer w8.8: U9.15 4047.81,3545.19 4076.18,3545.19 4103.41,3517.95 L5.1
Q_O_P: L3.1 U9.16 | length 73.3
  Top Layer w8.8: U9.16 4047.81,3565.27 4075.63,3565.27 4103.41,3593.05 L3.1@4103.41,3599
Q_P: C49.2 L3.2 U10.5 | length 75.8
  Top Layer w8.8: L3.2@4160.59,3599 4175.94,3583.65 C49.2 4211.16,3578.49 4211.16,3569.05 4216.31,3563.9
res_out_N: B2.4 U9.21 | length 12.7
  Top Layer w10: U9.21@3980.69,3644.64 U9.21 U9.21@3980.76,3632.08
res_out_P: B2.3 U9.22
rf_ref_N: C27.2 U9.9 | length 152.7
  Top Layer w8.8: C27.2 3948.35,3369.88 3957.53,3369.88 3962.68,3375.03 3962.68,3425.28 3962.44,3425.52 3962.44,3463.94 3961,3465.38 U9.9 ; C27.2@3938,3358.12 C27.2@3949.35,3369.47
rf_ref_P: C26.2 U9.10 | length 136.9
  Top Layer w8.8: U9.10 3980.69,3465.38 3979.24,3463.94 3979.24,3432.48 3979.48,3432.24 3979.48,3374.62 3984.64,3369.47 3993.65,3369.47 C26.2
rfoutA_N: C25.1 U8.13 | length 193.3
  Top Layer w8.8: U8.13 4013.16,3157.6 4014.6,3159.04 4014.6,3256.02 4038.48,3279.9 4055.97,3279.9 4061.12,3285.05 4061.12,3293.65 C25.1
rfoutA_P: C24.1 U8.12 | length 165.5
  Top Layer w8.8: U8.12 4032.84,3157.6 4031.4,3159.04 4031.4,3249.06 4045.44,3263.1 4055.97,3263.1 4061.12,3257.95 4061.12,3249.35 C24.1
rfoutB_N: C27.1 U8.15 | length 174.7
  Top Layer w8.8: C27.1 3948.35,3288.12 3957.36,3288.12 3962.52,3282.97 3962.52,3225.1 3975.23,3212.39 3975.23,3159.04 3973.79,3157.6 U8.15
rfoutB_P: C26.1 U8.14 | length 174.5
  Top Layer w8.8: U8.14 3993.47,3157.6 3992.03,3159.04 3992.03,3219.35 3979.32,3232.06 3979.32,3282.56 3984.47,3287.71 3993.65,3287.71 C26.1
rset: R19.2 U8.22 | length 88.4
  Top Layer w10: R19.2 3874,3043 3894.53,3022.47 U8.22
run: R10.1 S2.3 S2.4 U1.26
SCL: R8.1 TP1.1 U1.3 U3.B2 U4.7 U11.8 | length 218.2
  Top Layer w10: R8.1@5758,3580.59 5826.59,3580.59 5888.09,3642.09 U1.3
SDA: R9.1 TP3.1 U1.2 U3.A2 U4.8 U11.7 | length 207.3
  Top Layer w10: R9.1@5759,3620.41 5834.41,3620.41 5871.84,3657.84 U1.2
swclk: J5.1 U1.24 | length 60.1
  Top Layer w10: U1.24 6126.43,3437.06 6126.43,3453.93 6152.98,3480.48 v1(6157.14,3480.48)
swdio: J5.3 U1.25 | length 38.3
  Top Layer w10: U1.25 6141.12,3398.08 v1(6141.39,3397.8)
temp: C37.1 C38.2 U8.19 | length 143.3
  Top Layer w10: C37.1 3796.61,3101.92 C38.2 3878.08,3101.92 3898.47,3081.53 U8.19
temp_int: U1.4 U3.C2
USB_N: R5.1 U1.47 | length 356.5
  Top Layer w11: U1.47@6125.06,3721.4 6125.06,3745.6 6162.43,3782.97 6427.66,3782.97 6437.01,3792.32 R5.1
USB_P: R4.1 U1.46 | length 329.1
  Top Layer w11: U1.46@6142,3721.4 6142,3738.59 6169.44,3766.03 6425.9,3766.03 6437.01,3754.92 R4.1
vcom: C41.1 C42.2 U8.23 | length 142.6
  Top Layer w10: C41.1 3794.61,2982.08 C42.2 3849.24,2982.32 3872.32,2982.32 3892.79,3002.79 U8.23
vref: C39.1 C40.2 U8.24 | length 196.3
  Top Layer w10: C40.2@3851.17,2871.91 C40.2 3901.92,2881.08 C39.1 3902,2974 3911.1,2983.1 U8.24
vtune: C36.1 R18.2 U8.20 | length 135.3
  Top Layer w10: v1(3891,3062) 3891.16,3061.84 U8.20 ; C36.1 C36.1@4494.53,2869.47
  Bottom Layer w10: v1(3891,3062) 3891,3125 3915,3149
pads on no net: B1.6 B2.2 B2.5 B2.6 J1.A8 J1.B8 U1.9 U1.14 U1.17 U1.27 U1.37 U1.38 U1.39 U5.4 U6.4 U7.4 U8.5 U9.12 U10.9 U10.10 U11.2 U11.3 U11.9 U11.13

## Polygon pours and split planes (outlines as drawn)
no net on Layer 1 (split plane): 249 vertices, not listed, extent 1020.1,1020.1 6979.9,4979.9
no net on Layer 2 (split plane): 249 vertices, not listed, extent 1020.1,1020.1 6979.9,4979.9

## Text inside footprints (layer, text, board x,y; h text height)
J1: Mechanical 13 "PCB EDGE" at 6995.74,4029.65 h40 r90